# KiCad board endeavour2.kicad_pcb (continued)
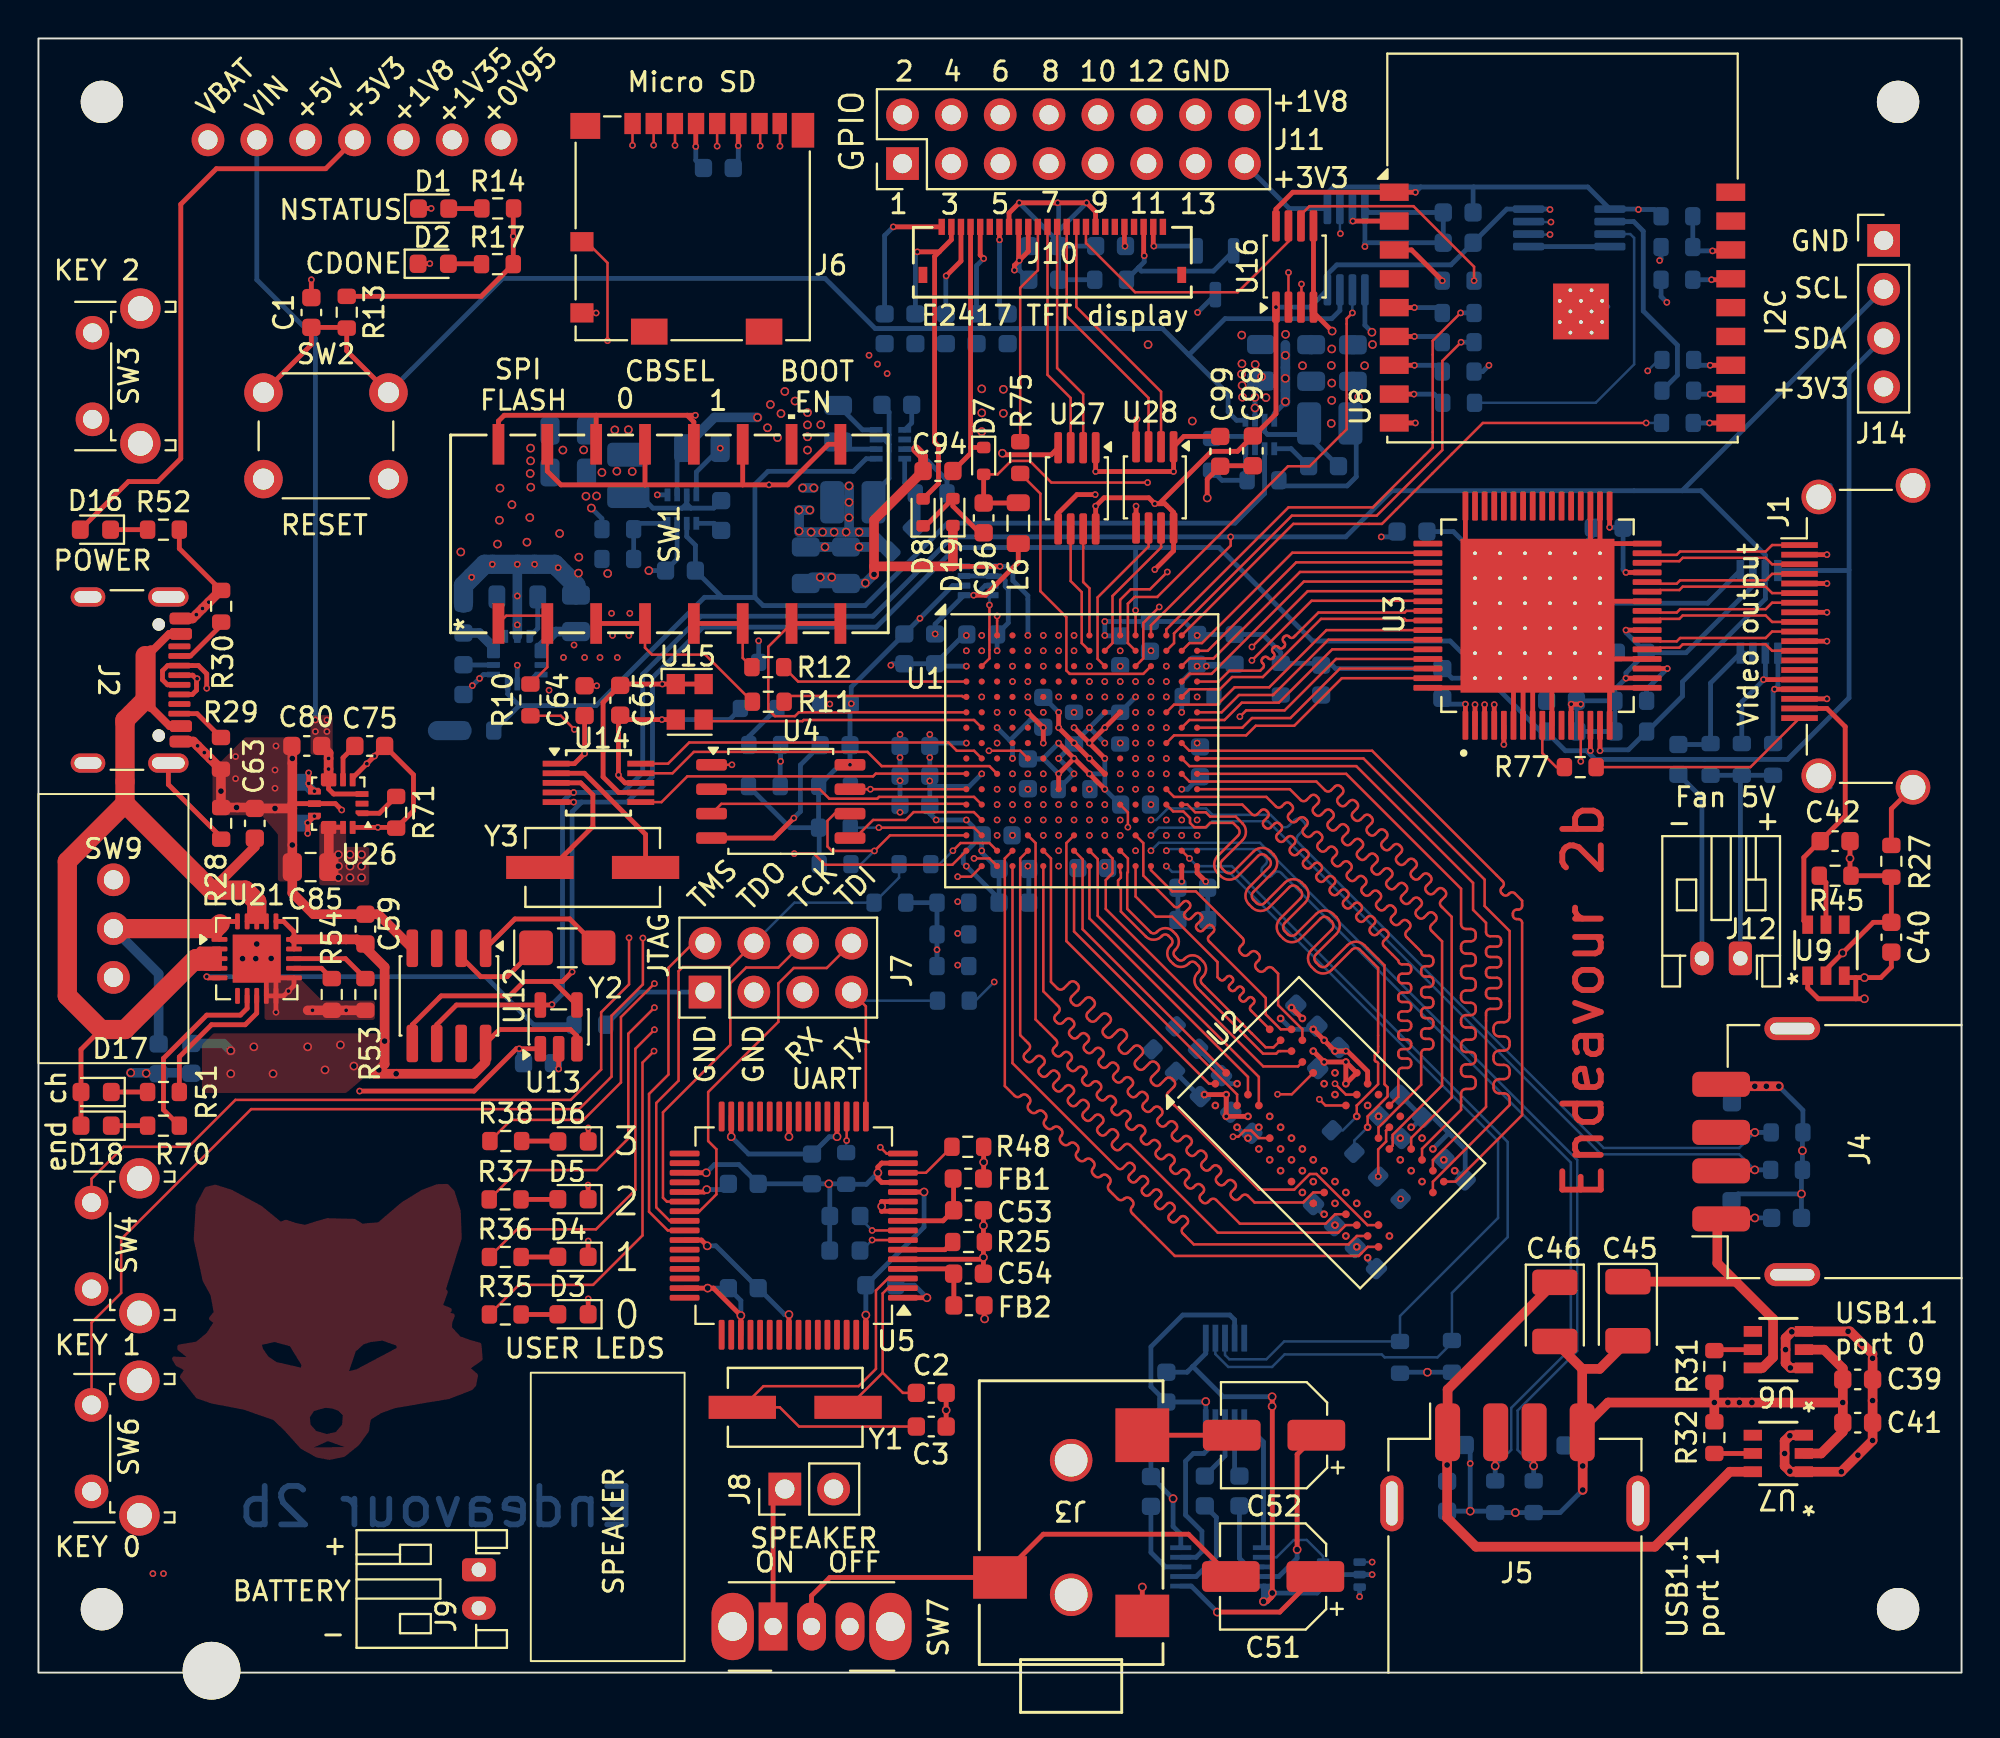
[diagram p0: board, top side]
## Routing (per net, layer and track width the routed paths; a pad name or vN(x,y) marks a point on that pad's centre or on a via; arc(x,y) is an arc through that point) (continued)
USER_LED3: length 38.2
  Top w0.13: R38.1 24.57,28.75 28.34,28.75 30.29,30.7 30.29,34.1 v1(32.03,35.84)
  In2.Cu w0.13: v1(32.03,35.84) 32.03,39.05 33.67,40.69 44.03,40.69 47.25,43.91 47.25,44.61 48.14,45.5 49.25,45.5 49.7,45.95 v1(49.85,45.95)
VREF1:
  vias: v1(52.25,43.55) v1(53.85,44.35) v1(64.59,26.11) v1(70.81,27.8)
VREF2: length 1.1
  Top w0.25: U3.3 v1(75.2,50.35)
  Bottom w0.25: 60.28,50.72 v1(60.25,50.75)
  vias: v1(57.85,46.75)
Net-(C52-Pad2): length 4.6
  Top w0.25: C52.2 J3.2
Net-(D1-A): length 1.7
  Top w0.25: D1.2 23.05,76.15 23.06,76.16
Net-(D1-K): length 43.5
  Top w0.13: 19.77,76.16 D1.1
  Top w0.25: v1(20.42,76.16) 19.77,76.16
  In2.Cu w0.13: 47.4,50.35 50.25,50.35 v1(50.65,49.95)
  In2.Cu w0.25: 47.4,50.35 42.31,55.44 39.34,55.44 38.15,56.63 38.15,59.66 21.65,76.16 v1(20.42,76.16)
Net-(D2-A): length 1.7
  Top w0.25: R17.2 23.02,73.28 D2.2
Net-(D2-K): length 30.2
  Top w0.25: v1(20.35,73.29) 19.75,73.29 D2.1
  In2.Cu w0.25: v1(20.35,73.29) 23.29,73.29 37.45,59.13 v1(37.45,53.67)
  Bottom w0.25: Q1.3 v1(37.45,53.67)
Net-(D3-A): length 1.9
  Top w0.25: R35.2 27,18.63 D3.2
Net-(D4-A): length 1.9
  Top w0.25: R36.2 27,21.62 D4.2
Net-(D5-A): length 1.9
  Top w0.25: R37.2 27,24.61 D5.2
Net-(D6-A): length 1.9
  Top w0.25: R38.2 26.99,27.65 D6.2
Net-(D7-A): length 23.4
  Top w0.13: v1(57.68,61.9) 52.68,61.9 51.55,63.02 50.57,63.02 49.87,62.32 D7.2
  Top w0.25: 50.59,60.84 C96.1 D7.2
  In2.Cu w0.25: v1(60.28,70.75) 58.4,68.87 58.4,62.62 v1(57.68,61.9)
  Bottom w0.25: Q2.3 v1(60.28,70.75)
Net-(D7-K): length 13.8
  Top w0.25: D7.1 48.47,63.72 ; 48.47,63.72 48.47,63.42 C94.2 ; 48.47,63.72 J10.4
Net-(D8-A): length 19.3
  Top w0.25: 46.84,73.9 v1(45.7,73.9) ; 46.84,73.9 47.47,74.53 J10.2 ; 46.84,73.9 46.6,73.66 46.6,64 46.8,63.8 46.8,61.85 D8.2
  Bottom w0.25: 45.6,70.67 45.6,73.8 v1(45.7,73.9)
Net-(D16-K): length 1.9
  Top w0.25: D16.1 R52.1
Net-(D17-A): length 62.6
  Top w0.25: 9.41,37.42 U21.4 8.88,36.64 8.88,36.63 8.69,36.63 8.19,37.14 ; 9.41,37.42 8.47,37.42 8.19,37.14 ; 9.41,37.42 U21.2 8.39,37.64 8.19,37.44 8.19,37.14 ; 8.19,37.14 U21.3 ; 8.19,37.14 8.19,37.46 ; 3.25,33.45 2.21,32.41 D17.2 D18.2 ; U21.17 U21.19 ; 5.96,53.19 5.84,53.19
  Top w0.4: J2.A9 6.83,49.23 5.84,50.21 ; J2.A4 6.8,54.03 5.96,53.19
  Top w0.5: 5.84,50.21 5.84,53.19 ; 9,40.7 11.25,42.95 C63.1
  Top w1: 9.03,37.01 8.32,37.01 8.19,37.14 4.5,33.45 3.25,33.45 1.5,35.2 1.5,42.2 4.5,45.2 ; 5.55,52.9 5.55,50.6 4.5,49.55 4.5,45.2 ; 4.5,45.2 9,40.7 10.75,40.7 11.35,40.1 11.35,39.52
Net-(D17-K): length 1.9
  Top w0.25: D17.1 R51.1
Net-(D18-K): length 1.9
  Top w0.25: D18.1 R70.1
Net-(D19-A): length 4.7
  Top w0.25: 49.15,59.46 C96.2 48.94,59.29 47.55,60.67 D19.2 46.14,59.65
Net-(J1-+5V): length 14
  Top w0.25: J1.18 93,50.15 93.95,49.2 93.95,44.55 C42.1 91.8,42.4 91.8,39.1 U9.6
Net-(J1-HPD): length 11.6
  Top w0.13: J1.19 89.03,47.1 R77.2
Net-(J1-PadSH): length 29.5
  Top w0.25: J1.SH 96.35,44.92 R27.2
  In2.Cu w0.25: 93.18,61.75 J1.SH J1.SH 93.18,46.05
  Bottom w0.25: 93.18,61.75 J1.SH ; 93.18,46.05 J1.SH
Net-(J1-SCL): length 7.1
  Top w0.25: J1.15 v1(89.7,51.65)
  Bottom w0.25: 89.8,53.02 89.8,51.75 v1(89.7,51.65) 89.7,51.62 88.57,50.5 R79.2
Net-(J1-SDA): length 6.1
  Top w0.25: J1.16 v1(90.28,51.15)
  Bottom w0.25: R80.2 90.2,51.07 v1(90.28,51.15) 90.45,51.32 90.45,53.02
Net-(J2-CC1): length 3
  Top w0.25: 9.47,54.64 9.47,54.45 7.9,52.88 J2.A5
Net-(J2-CC2): length 2.7
  Top w0.25: R29.1 8.25,49.88 J2.B5
Net-(J2-SHIELD): length 5
  Top w0.25: J2.S1 6.75,46.19 9.5,43.45
Net-(J4-VBUS): length 18.1
  Top w0.25: 87.3,23.6 87.35,23.65 v2(89.25,23.65)
  Top w0.5: 88.26,20.34 90.2,18.4 90.2,16.4 89.65,15.85 U6.6 ; 88.26,20.34 C45.1 ; 88.26,20.34 87.3,21.3 87.3,23.6
  Bottom w0.25: C43.2 v2(89.25,23.65)
Net-(J5-VBUS): length 33.6
  Top w0.5: C46.1 73.28,14.72 73.28,12.7 73.25,12.67 v2(73.25,10.8) 73.25,8.05 74.75,6.55 84.05,6.55 87.95,10.45 U7.6
  Bottom w0.25: C44.2 v2(73.25,10.8)
Net-(J8-Pin_1): length 7.4
  Top w0.25: J8.1 38.2,8.94 SW7.1
Net-(J10-BUSY_N): length 14.3
  Top w0.13: U16.7 65,74.44 62.36,71.8 57.03,71.8 54.47,74.36 J10.16
Net-(J10-CSB): length 12
  Top w0.13: U27.2 54.32,66.5 52.97,67.86 J10.13
Net-(J10-DC): length 13.2
  Top w0.13: J10.14 53.47,70.56 57.72,66.3 57.72,63.76
Net-(J10-GDR): length 3.4
  Top w0.25: v1(58,74.2) 57.97,74.23 J10.23
  Bottom w0.25: Q2.1 60,74.2 v1(58,74.2)
Net-(J10-RESE): length 8.6
  Top w0.25: J10.22 57.47,73.73 v1(57.5,73.7)
  Bottom w0.25: v1(57.5,73.7) 57.5,73.37 57.19,73.06 ; 57.19,73.06 57.35,72.9 61.1,72.9 Q2.2 ; 57.19,73.06 R72.2
Net-(J10-RST_N): length 13.3
  Top w0.13: U28.2 58.38,66.62 53.97,71.03 J10.15
Net-(J10-SCL): length 12
  Top w0.13: U27.3 53.68,66.3 52.47,67.51 J10.12
Net-(J10-SDA): length 11.6
  Top w0.13: R75.2 51.05,72.02 51.97,72.94 J10.11
Net-(J10-VCOM): length 7.2
  Top w0.25: J10.1 v1(44.45,75.2)
  Bottom w0.25: 44,70.67 44,74.75 v1(44.45,75.2)
Net-(J10-VDDD): length 4.7
  Top w0.25: v1(49.97,74.52) 49.97,74.53 J10.7
  Bottom w0.25: v1(49.97,74.52) 49.97,71.1 50.4,70.67
Net-(J10-VDH): length 4.8
  Top w0.25: v1(49.15,73.55) 48.97,73.73 J10.5
  Bottom w0.25: 48.78,70.67 48.78,73.18 v1(49.15,73.55)
Net-(J10-VDHR): length 1
  Top w0.25: J10.20 56.47,74.23 v1(56.5,74.2)
Net-(J10-VDL): length 4.9
  Top w0.25: v1(47.2,72.65) 47.97,73.42 J10.3
  Bottom w0.25: v1(47.2,72.65) 47.18,72.63 47.18,70.67
Net-(Q1-B): length 2.5
  Bottom w0.25: Q1.1 36.94,48.69 R15.2
Net-(R10-Pad2): length 6.6
  Top w0.13: R10.2 26.46,52.3 SW1.2 26.46,54.89 26.38,54.97 24.33,54.97 SW1.1
Net-(R11-Pad2): length 10.5
  Top w0.13: SW1.4 31.54,53.31 31.9,52.95 34.68,52.95 R11.2
  Top w0.25: SW1.3 SW1.4
Net-(R12-Pad2): length 5
  Top w0.13: SW1.6 36.62,52.78 R12.2
  Top w0.25: SW1.5 SW1.6
Net-(SW7-B): length 25.6
  Top w0.25: SW7.2 40.2,4 41.15,4.95 J3.3 52.25,7.2 59.8,7.2 C51.2
Net-(SW9-B): length 14.6
  Top w0.25: U21.1 9.41,38.66 9.83,39.07 U21.20 10.05,39.07
  Top w1: 9.45,38.95 9.2,38.7 SW9.2
  Bottom w0.5: SW9.2 6.25,36.35 C61.1
Net-(U1B-GPIOL_01): length 10.9
  In2.Cu w0.13: v1(49.7,35.92) 49.7,41.8 51.02,43.12 51.02,43.92 v1(51.45,44.35)
  Bottom w0.13: v1(49.7,35.92) 48.72,34.95 R19.2
Net-(U1B-TDO): length 4.1
  Top w0.13: v1(47.55,42.75) 47.95,43.15 49.45,43.15 U1.R3
  Bottom w0.13: R20.2 46.85,42.05 v1(47.55,42.75)
Net-(U1C-GPIOL_N_01_CCK): length 11.8
  Top w0.13: U1.P1 44.28,43.55 v1(43.47,42.74) 41.26,42.74 41.03,42.97 41.03,44.31 41.4,44.68 U4.6
  Bottom w0.13: R6.2 42.77,42.05 43.46,42.74
Net-(U1C-GPIOL_N_03_CDI1): length 14.5
  Top w0.13: U4.2 40.63,45.95 41.12,45.45 43.62,45.45 43.71,45.55 48.65,45.55 U1.M2
Net-(U1C-GPIOL_N_04_CDI3): length 7.2
  Top w0.13: U1.L1 v1(43.26,45.95) U4.7
  Bottom w0.13: R7.2 42.39,45.95 v1(43.26,45.95)
Net-(U1C-GPIOL_P_02_CSI): length 7
  Top w0.13: v1(43.7,43.95) 48.65,43.95 U1.P2
  Bottom w0.13: 42.22,43.95 v1(43.7,43.95)
Net-(U1C-GPIOL_P_03_CDI0): length 7.6
  Top w0.13: U4.5 42.46,43.41 43.4,44.35 45.1,44.35 45.51,44.76 48.64,44.76 U1.N2
Net-(U1C-GPIOL_P_04_CDI2): length 13.5
  Top w0.13: U1.M1 48.21,45.19 35.51,45.19 U4.3
Net-(U1D-GPIOL_N_15_TEST_N): length 9.4
  In2.Cu w0.13: v1(41.15,50.38) 41.58,49.95 v1(49.85,49.95)
  Bottom w0.25: R16.2 v1(41.15,50.38)
Net-(U1F-REF_RES_2A):
  vias: v1(53.85,49.95)
Net-(U1I-REF_RES_3A):
  vias: v1(56.25,48.35)
Net-(U1L-REF_RES_4A):
  vias: v1(54.65,45.95)
Net-(U2-ZQ): length 2.8
  Top w0.13: v1(69.67,25.81) 69.67,27.21 70.08,27.63 70.08,28.19 70.07,28.19 U2.L8
Net-(U3-EDGE/HTPLG): length 2.9
  Top w0.13: R77.1 78.93,47.1 78.2,47.82 U3.9
Net-(U3-TFADJ): length 3.2
  Top w0.25: U3.19 v1(84.7,52.22)
  Bottom w0.25: R5.1 83.62,51.15 v1(84.7,52.22)
Net-(U5-ADBUS3): length 1.9
  Top w0.13: U5.19 v1(42.03,27.67)
  Bottom w0.13: R18.1 42,27.65 v1(42.03,27.67)
Net-(U5-OSCI): length 10
  Top w0.13: 43.9,15.6 43.9,19.72 44.18,20 U5.2 ; 43.9,15.6 44.95,14.55 C2.1 ; 43.9,15.6 Y1.1
Net-(U5-OSCO): length 23
  Top w0.13: C3.1 39.55,12.8 38.55,13.8 Y1.2 37.7,14.9 42.65,14.9 43.55,15.8 43.55,19.88 44.18,20.5 U5.3
Net-(U5-REF): length 2.8
  Top w0.25: U5.6 47.14,22 R25.1
Net-(U5-VPHY): length 4.4
  Top w0.25: FB2.1 47.6,20.74 C54.1 47.34,21 U5.4
Net-(U5-VPLL): length 4.5
  Top w0.25: U5.9 47.04,23.5 C53.1 47.59,25.67 FB1.1
Net-(U5-~{RESET}): length 3.1
  Top w0.13: U5.14 46.15,26 R48.2
Net-(U6-ILIM): length 2
  Top w0.25: U6.5 87.2,16.8 R31.1
Net-(U7-ILIM): length 2
  Top w0.25: U7.5 R32.1
Net-(U8-IO2): length 3.6
  Top w0.25: v1(87.05,73.95) 87.95,73.95 U8.16
  Bottom w0.25: v1(87.05,73.95) 86.05,73.95 ; R58.2 R76.1
Net-(U8-IO3): length 2.3
  Top w0.25: 87.74,72.5 U8.15 87.95,72.45 v1(87,72.45)
  Bottom w0.25: R73.1 v1(87,72.45)
Net-(U8-IO4): length 3.2
  Top w0.25: v1(73,72.4) 71.4,74 U8.3 70.51,74.01
Net-(U8-IO6): length 2.6
  Top w0.25: U8.5 v1(71.55,71)
  Bottom w0.25: R62.2 72.72,71 v1(71.55,71)
Net-(U8-IO7): length 2.6
  Top w0.25: U8.6 v1(71.55,69.5)
  Bottom w0.25: v1(71.55,69.5) 72.7,69.5 R61.2
Net-(U8-IO8): length 2.6
  Top w0.25: U8.7 v1(71.55,68)
  Bottom w0.25: R59.2 72.68,68 v1(71.55,68)
Net-(U8-IO9): length 2.7
  Top w0.25: U8.8 v1(71.53,66.5)
  Bottom w0.25: v1(71.53,66.5) 72.57,66.5 R57.2
Net-(U8-IO10): length 1.9
  Top w0.25: U8.10 v1(86.9,65)
  Bottom w0.25: v1(86.9,65) R63.2
Net-(U8-RXD): length 2
  Top w0.25: U8.11 v1(86.93,66.5)
  Bottom w0.25: R56.2 86.25,66.5 v1(86.93,66.5)
Net-(U8-TXD): length 2
  Top w0.25: U8.12 v1(86.93,68)
  Bottom w0.25: v1(86.93,68) 86.35,68 R55.2
Net-(U9-ILIM): length 2.7
  Top w0.25: R45.1 92.95,41.1 U9.5
Net-(U10-VOUTA): length 6.9
  Bottom w0.25: U10.6 63.7,12 U11.6
Net-(U10-VOUTB): length 2.9
  Bottom w0.25: U10.7 62.2,10.48 C48.1
Net-(U10-VOUTC): length 3.2
  Bottom w0.25: U10.8 61.7,11.27 C47.1
Net-(U10-VOUTD): length 9.2
  Bottom w0.25: U10.9 61.2,12 60.6,11.4 60.05,11.4 59.65,11 59.65,8.2 60.5,7.35 60.5,6.3 60.2,6 U11.4
Net-(U11-BYPASS): length 4.3
  Bottom w0.25: C50.1 57.85,6.25 58.6,5.5 U11.3
Net-(U11-SHDN): length 4.1
  Bottom w0.13: U23.3 66.8,6.05 65.95,6.9 65.28,6.9 64.38,6 U11.7
Net-(U11-VIN1): length 5.2
  Bottom w0.25: C47.2 61.25,8.07 61.25,6.05 60.2,5 U11.2
Net-(U11-VIN2): length 4.2
  Bottom w0.25: U11.8 62.9,5.5 62.45,5.95 C48.2
Net-(U11-VOUT1): length 8.3
  Top w0.25: C51.1 64.55,3.15 v2(61.3,3.15)
  Bottom w0.25: v2(61.3,3.15) 59.95,4.5 U11.1
Net-(U11-VOUT2): length 9
  Top w0.25: v2(65.45,6.4) 65.45,11.35 C52.1
  Bottom w0.25: v2(65.45,6.4) 65.45,5.95 64.5,5 U11.9
Net-(U12-OSCI): length 7.1
  Top w0.25: U12.1 24.78,39.2 27.62,39.2 Y2.2
Net-(U12-OSCO): length 5.4
  Top w0.25: U12.2 21.98,37.22 23,36.2 24.38,36.2 Y2.1
Net-(U14-XA): length 7.7
  Top w0.25: Y3.2 31.57,43.6 28.39,46.78 U14.2
Net-(U14-XB): length 7.5
  Top w0.25: U14.3 28.2,46.28 28.83,45.65 28.83,44.01 26.7,41.88 Y3.1
Net-(U18-BST): length 1.5
  Bottom w0.25: C72.1 45.41,65 U18.5
Net-(U18-FB): length 3.8
  Bottom w0.25: U18.8 45.04,61.89 R65.2
  Bottom w0.5: 45.62,59.62 45.62,61.32 R65.2
Net-(U18-SW): length 7
  Bottom w0.25: 44.23,64.39 44.23,65.56 C72.2 ; 44.23,64.39 44.23,63.54 ; 44.23,64.39 43.98,64.14 ; 43.46,61.34 43.46,61.35 44.23,62.12 44.23,63.54 ; 43.98,64.14 U18.3 43.98,64.14 ; 43.98,64.14 44.23,63.89 44.23,63.54
Net-(U19-BST): length 2.2
  Bottom w0.25: C73.1 65.14,63.66 U19.5
Net-(U19-FB): length 3.7
  Bottom w0.25: U19.8 62.76,62.11 R66.1 61.54,62.02 R67.2
Net-(U19-SW): length 6.1
  Bottom w0.25: U19.3 63.76,64.56 63.92,64.4 65.5,64.4 L2.1 66.07,64.27 C73.2
Net-(U20-BST): length 1.4
  Bottom w0.25: U20.5 35.13,59.78 C74.1
Net-(U20-FB): length 3.4
  Bottom w0.25: U20.8 31.25,59.78 R68.1 R69.2
Net-(U20-SW): length 6.7
  Bottom w0.25: 33.93,60.57 35.11,60.57 C74.2 ; 33.93,60.57 33.47,60.57 ; 33.93,60.57 33.71,60.79 U20.3 33.71,60.81 33.47,60.57 ; 33.47,60.57 31.95,60.57 31.13,61.39 30.88,61.39
Net-(U21-PROG1): length 4.1
  Top w0.25: R53.2 15.96,37.14 U21.13
Net-(U21-PROG3): length 2.2
  Top w0.25: U21.12 14.71,36.64 R54.2
Net-(U21-STAT1/~{LBO}): length 7.7
  Top w0.25: R51.2 7.33,32.02 9,33.7 10.75,33.7 11.35,34.3 U21.8
Net-(U21-STAT2): length 9.9
  Top w0.25: U21.7 10.85,34.55 10.5,34.2 8.75,34.2 6.5,31.95 6.5,29.27 R70.2
Net-(U21-THERM): length 20.8
  Top w0.25: v1(8.75,36.2) 8.81,36.14 U21.5
  Bottom w0.25: v1(8.75,36.2) 23.25,36.2 25.75,33.7 TH1.2
Net-(U22-BIAS): length 1.6
  Bottom w0.25: U22.5 22.11,52.41 C76.1
Net-(U22-LX1): length 2.2
  Bottom w0.25: L5.1 23.84,54.31 U22.8
Net-(U22-LX2): length 2.2
  Bottom w0.25: L5.2 25.96,54.31 U22.10
Net-(U25-EN): length 7.7
  Bottom w0.25: 88.5,53.02 86.95,51.47 R78.2 86.9,48.27 C97.1 ; 88.5,53.02 88.53,53 ; 88.5,53.02 89.15,53.02
Net-(U26-BIAS): length 2
  Top w0.25: U26.5 15.84,47.59 C75.1
Net-(U26-LX1): length 3.1
  Top w0.25: v1(14.05,46.8) v1(14.05,46.25) 14.05,46.15 v1(14.35,45.85)
  Bottom w0.25: L4.1 14.06,45.85 v1(14.35,45.85) 14.35,45.95 v1(14.05,46.25) v1(14.05,46.8)
Net-(U26-LX2): length 2.1
  Top w0.25: v1(14.35,44.55) v1(14,44.2) v1(14,43.65)
  Bottom w0.25: v1(14.35,44.55) v1(14,44.2) v1(14,43.65)
Net-(U26-SEL): length 2.1
  Top w0.25: U26.1 17.72,44.7 R71.2

## Copper pours and planes (outline as drawn; the poured copper is in the pictures)
+0V95 on Bottom: 44.67,57.92 39.16,57.92 39.16,62.1 39.17,62.11 42.34,62.11 42.6,61.85 42.6,59.9 42.9,59.61 44.67,59.61
+0V95 on In4.Cu: 39.16,62.1 56.55,62.1 56.55,44.65 39.16,44.65
+1V8 on Bottom: 28.33,65.62 30.38,65.62 32.09,63.91 32.09,62.61 31.65,62.17 29.8,62.17 29.42,61.76 29.43,59.78 29.02,59.37 28.89,59.37 28.12,60.14 28.13,60.15 28.14,60.15 28.14,65.43
+1V8 on In3.Cu: 1.2,5.12 49.71,5.38 49.81,45.75 56.45,45.75 56.45,50 58.32,54.1 58.35,69.5 64.6,75.42 64.57,82.5 1.31,82.25
+1V8 on In3.Cu: 56.15,69.5 98.7,69.5 98.7,77.7 98.65,77.75 56.2,77.75 56.15,77.7
+1V35 on Bottom: 66.91,64.5 70.65,64.5 71.07,64.92 71.07,67.88 70.71,68.24 65.44,68.24 65.44,66.27 66.61,66.27 66.91,66.02
+1V35 on In3.Cu: 50.25,45.55 56.7,45.55 56.7,50.02 58.55,54.07 58.55,69.07 98.72,69.07 98.72,1.4 50.25,1.4
+3V3 on Bottom: 25.8,52.25 30.2,52.25 31.75,53.8 31.75,55.35 29.2,55.35 25.8,53.45
+3V3 on In4.Cu: 89.05,8.95 89.05,38.67 97.5,38.67 97.57,78.1 93.18,78.1 93.18,81.22 11.97,81.17 12,63.45 18.32,63.45 18.32,8.95
+3V3 on In4.Cu: 45.1,58.54 45.1,62.62 56.89,62.62 56.89,55.13 56.85,55.09 48.55,55.09
+3V3 on In4.Cu: 83,60.05 83,49.95 61.3,49.95 61.3,55 66.35,60.05
+5V on Top: 14.6,40.95 17.2,40.95 17.2,42.95 16,42.95 16,44.15 14.6,44.15
+5V on In4.Cu: 17.08,8 90.07,8 90.1,8.02 90.1,36.9 90.07,36.92 97.88,36.92 97.88,3.7 96.25,2.07 3.55,2.07 2.12,3.5 2.12,62.32 17.08,62.32
GND on Top: 13.45,41.15 13.4,48.65 10.75,48.65 9.05,46.95 9.05,44.6 11.6,44.6 12.45,43.6 12.45,41.15
GND on Top: 11.75,36.2 11.75,33.95 17.5,33.95 17.5,34.95 14.75,34.95 13.5,36.2
GND on Bottom: 46.62,60.3 46.62,61.97 45.59,63 45.59,64.57 46.17,65.15 46.17,66.48 45.92,66.73 43.46,66.73 42.94,66.21 42.94,65.12 42.6,64.78 41.45,64.78 40.89,65.34 40.89,69.4 43.52,69.39 58.12,69.39 61.5,65.95 61.51,60.27 46.63,60.27 46.6,60.3
GND on Bottom: 78.2,74.45 82.53,74.45 82.53,68.1 78.2,68.1
GND on Bottom: 55.55,71.8 55.55,76.65 50.75,76.65 50.75,76.2 52.4,74.6 52.4,71.8
GND on Bottom: 76.47,51.35 73.95,53.87 73.95,58.95 81.95,58.95 81.95,51.62 81.68,51.35
GND on Bottom: 25.25,51.7 25.8,52.05 30.05,52.05 28.75,50.75 25.25,50.75
GND on Bottom: 27.78,65.43 26.64,65.43 21.63,60.42 21.63,56.67 23.02,56.67 23.25,56.85 27.1,56.85 27.55,56.75 28.06,56.27 32.97,56.27 33.33,56.63 33.33,57.85 33.12,58.06 28.93,58.06 28.47,58.52 28.47,59.41 27.79,60.09 27.79,65.44
GND on Bottom: 70.71,68.57 71.07,68.93 71.07,69.66 70.71,70.02 62.55,70.02 62.29,69.76 62.29,68.76 62.48,68.57
GND on In1.Cu: 1.15,83.55 93.18,83.55 93.18,78.1 98.68,78.1 98.65,1.3 1.06,1.3
VBAT on Top: 9.1,33.25 8.5,32.65 8.5,30.15 16,30.15 18,31.85 18,33.25
VBAT on In2.Cu: 7,1.2 7,33.7 17.25,33.7 21.5,29.2 24.7,26.15 24.7,1.15
VIN on Top: 15.3,47.75 15.3,49.8 14.15,49.8 14.15,47.75
VIN on Bottom: 63.41,65.46 64.39,66.44 64.39,68.22 64.27,68.34 62.46,68.34 62.27,68.15 62.27,66.3 63.11,65.46
VIN on Bottom: 42.32,64.55 41.5,64.55 37.86,68.18 37.25,68.18 35.58,66.51 39.16,62.93 42.5,62.93 43.1,63.53 43.1,63.77
VIN on Bottom: 21.2,55.98 21.2,60.73 26.77,66.3 30.28,66.3 33.08,63.5 33.08,63.47 33.65,63.47 35.23,65.05 38.58,65.05 39.77,66.24 39.77,69.41 37.73,71.45 24.88,71.45 13.25,59.82 13.25,54.06 19.28,54.06
VIN on Bottom: 23.35,52.75 22.7,53.45 21.1,53.45 21.1,54.85 22.55,54.85 24,53.45 24,52.75
VIN on Bottom: 13.25,44.55 13.25,54.06 15.23,56.04 21.2,55.99 21.2,50.7 21.03,44.53 18.95,44.55
VIN on Bottom: 2.2,39.95 2.2,49.75 5.8,53.15 9.6,56.55 13.25,59.82 21.03,44.53 21.05,40
VIN on In4.Cu: 64.35,62.9 64.35,69.44 39.07,69.44 36.24,66.61 36.24,62.9
(no net) on Top, Bottom: 15.13,11.06 15.92,11.23 16.66,11.83 17.19,12.55 17.24,12.99 17.3,13.17 17.83,13.5 18.54,13.76 20.23,14.05 21.34,14.23 22.56,14.7 22.76,14.92 22.87,15.5 22.49,15.83 23.1,16.27 23.03,17.14 22.45,17.3 21.94,17.49 21.5,17.96 21.52,18.21 21.7,18.67 21.41,18.71 21.58,18.91 21.05,19.12 21.3,19.83 21.19,19.94 22.01,22.58 21.96,24.02 21.63,25.06 21.28,25.42 20.72,25.4 19.94,25.11 18.9,24.48 17.94,23.66 17.66,23.42 17.15,23.38 16.86,23.35 16.44,23.6 15.61,23.62 15.01,23.64 14.5,23.49 13.86,23.29 13.4,23.38 12.86,23.57 12.6,23.46 11.6,24.28 10.05,25.11 9.2,25.39 8.67,25.26 8.18,24.33 8.07,22.53 8.54,20.36 8.94,19.63 9.11,18.76 8.82,18.4 9.09,18.2 8.74,17.67 8.2,17.21 7.22,17.05 7.22,16.8 7.71,16.41 7.14,16.43 6.8,16.54 7.14,15.96 7.56,15.74 7.32,15.39 8.22,14.27 9.02,13.99 10.66,13.68 12.22,13.14 12.82,12.55 13.64,11.64 14.46,11.19
VREF1 on Bottom: 72.9,27.35 67.3,21.75 51.8,37.25 51.8,44.01 53.27,44.75 55.5,44.75
VREF2 on Bottom: 57.4,46.15 57.4,51.25 73.43,51.25 74.9,50.55 75.5,50.55 75.5,46.15

## Text on the board
Bottom: Endeavour 2b
B.Silkscreen: GND | VBAT | VIN | +5V | +3V3 | +1V8 | +1V35 | +0V95 | https://github.com/petrmikheev/endeavour2
Top: Endeavour 2b
F.Silkscreen: POWER | KEY 2 | KEY 1 | KEY 0 | BATTERY | NSTATUS | RESET | CDONE | - | + | SPI / FLASH | USER LEDS | 0 | CBSEL | Micro SD | 1 | SPEAKER | ON | BOOT / EN | UART | OFF | 2 | E2417 TFT display | 3 | 4 | 5 | 6 | 7 | 8 | 10 | 9 | 12 | 11 | GND | 13 | +1V8 | +3V3 | Fan 5V | SDA | SCL | USB1.1 / port 0 | VBAT | VIN | +5V | +1V35 | +0V95 | TMS | TDO | RX | TCK | TDI | TX | ch | end | JTAG | USB1.1 / port 1 | Video output | I2C | GPIO
